# Altium PCB DM3370.PcbDoc (part 8 of 9) (continued)
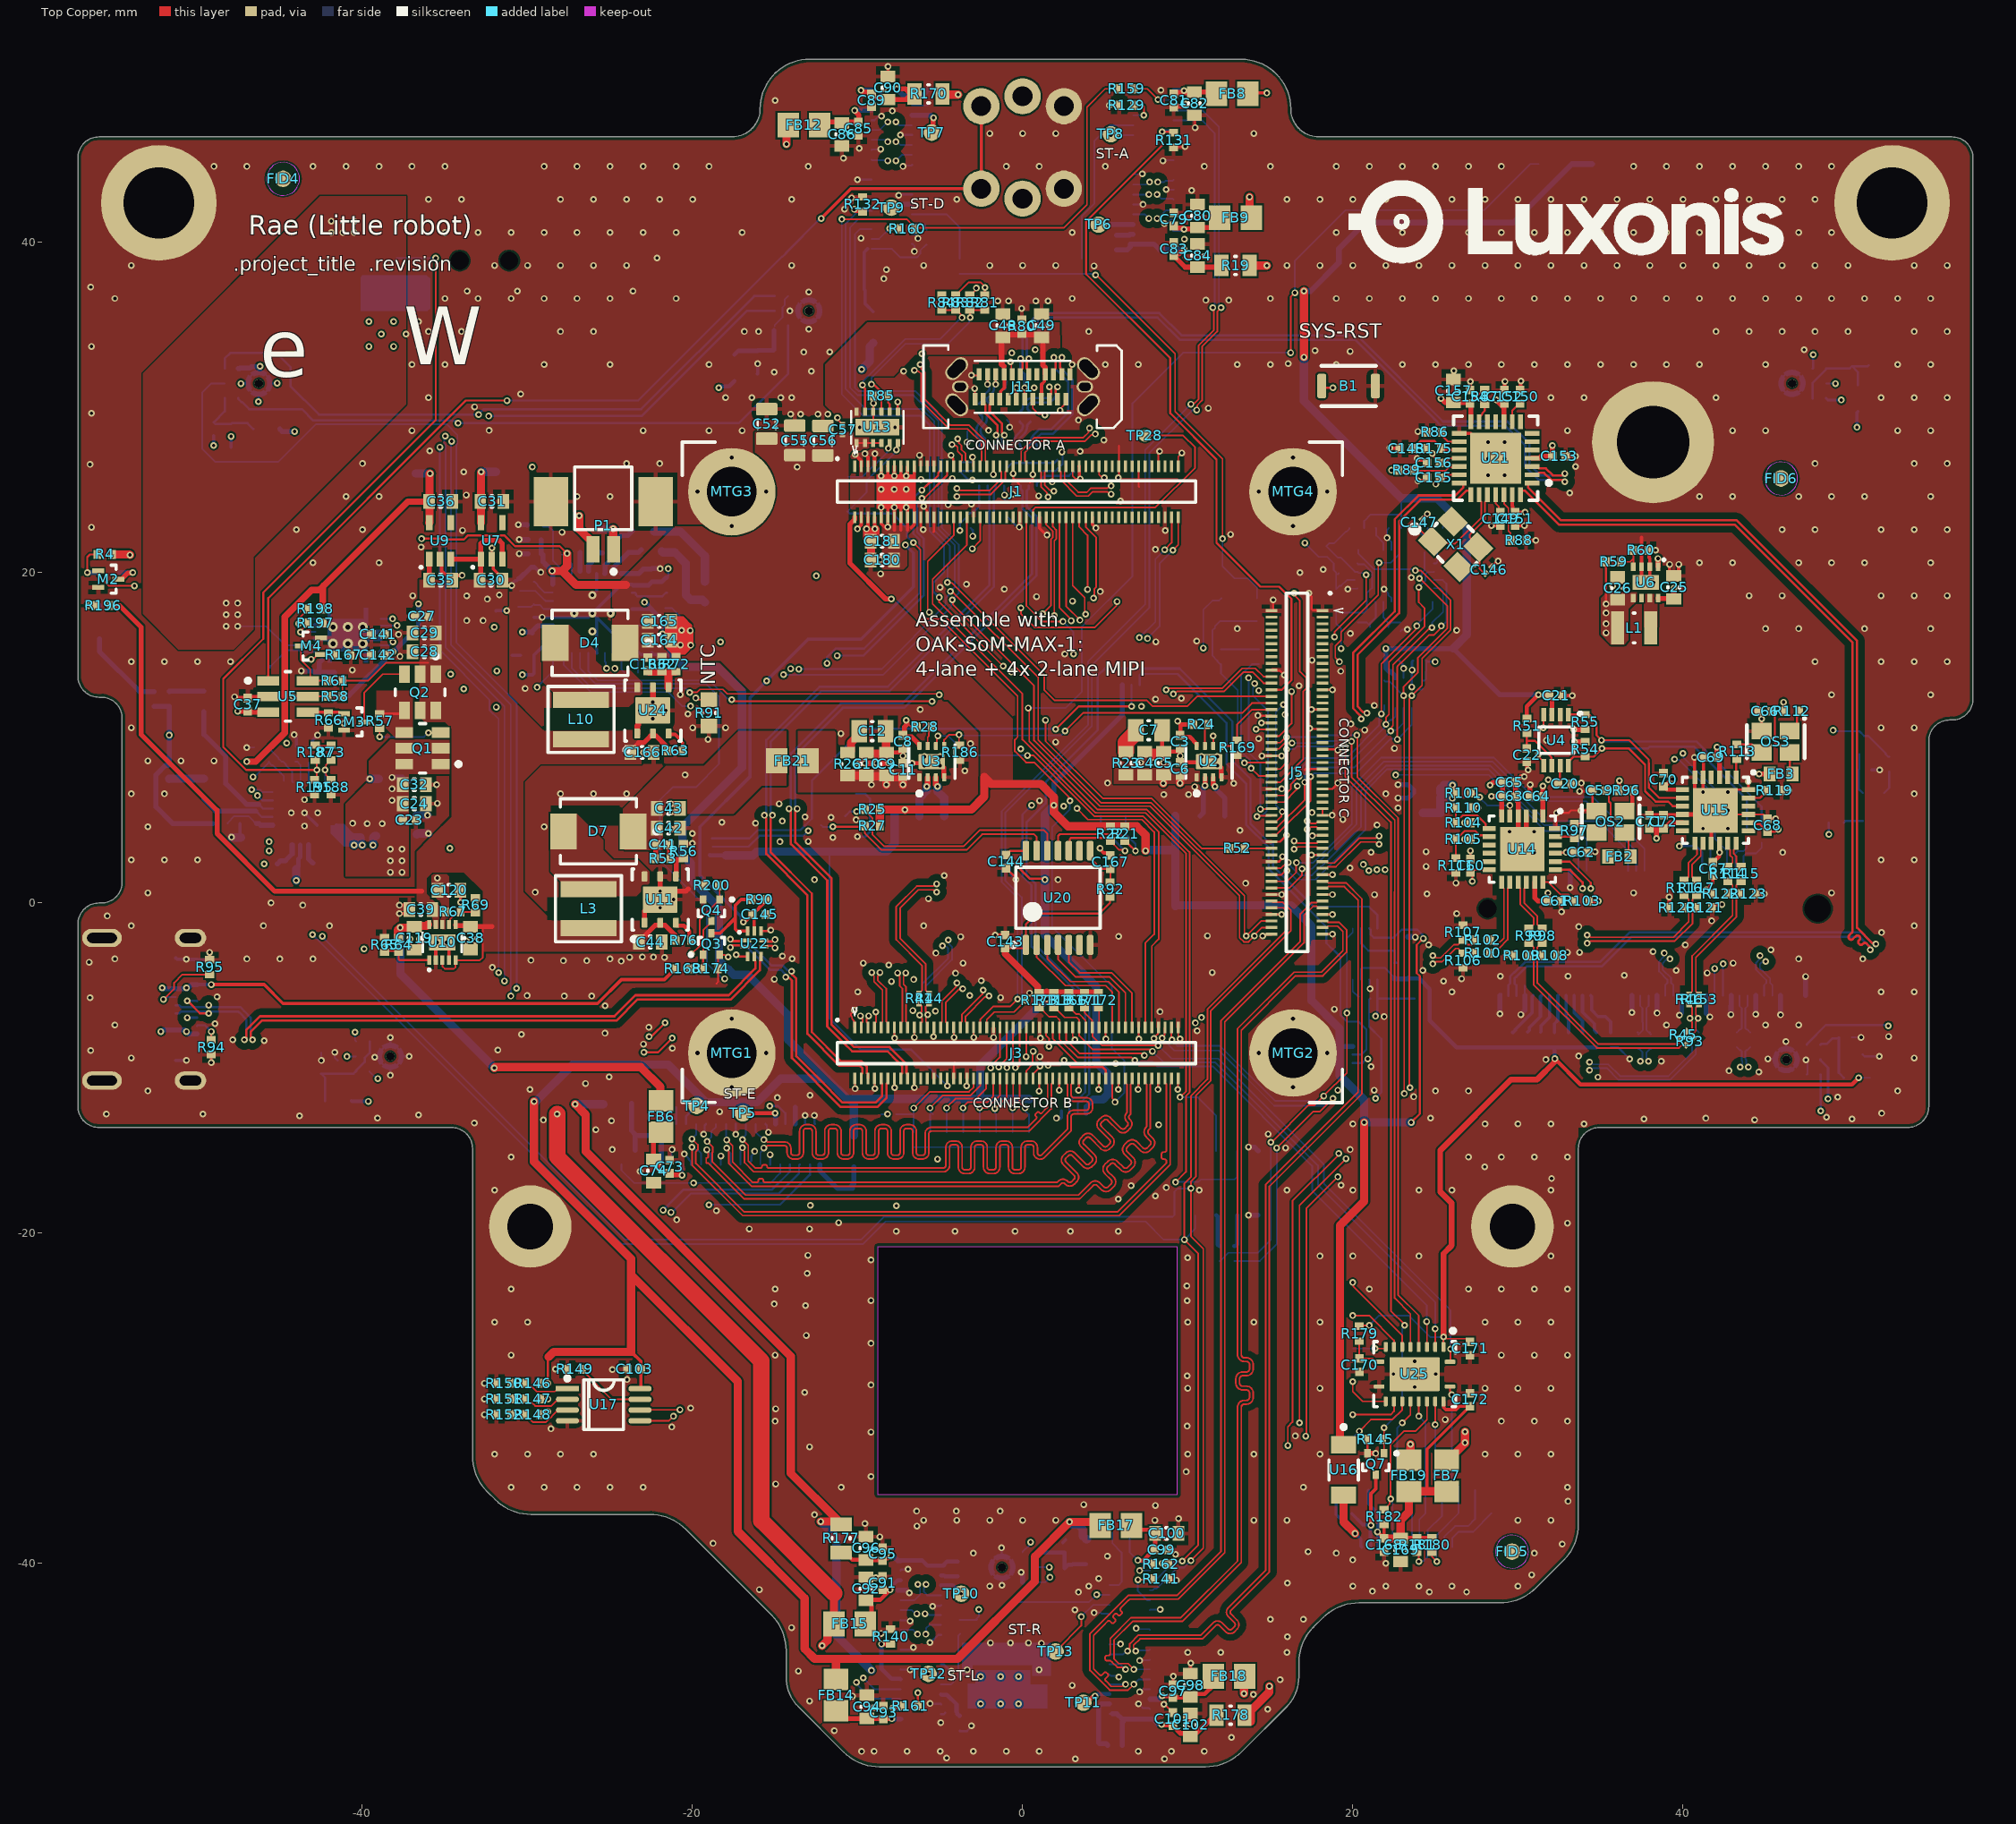
[diagram p0: Top Copper view]
## Nets (pads, with @x,y where several pads share a name; then routed paths per layer and width w, separated by ;. In a path a pad name is that pad's centre, name@x,y a point inside that pad or via, vN(x,y) a via of type N, cw(c..) or ccw(c..) an arc to the next point about the centre after c; other vN are vias at no path point) (continued)
WIFI_WKUP: J9.21 R35.1 | length 2.6
  Bottom Copper w0.2: J9.21@33.925,-5.625 33.925,-6.613 34.637,-7.325 34.637,-7.725 34.762,-7.85 R35.1@34.775,-7.85
WS2812_DI: J3.97 R1.2 U23.5 | length 36.4
  Top Copper w0.102: J3.97@9.032,-7.561 9.016,-7.577 9.016,-8.263 v1(9.048,-8.295) ; v1(15.046,-14.498) 15.092,-14.498 17.331,-12.259 17.691,-12.259 v1(18.25,-11.7) 18.25,-11.697 19.65,-10.296 v1(19.65,-6.68)
  Bottom Copper w0.102: v1(9.048,-8.295) 9.048,-8.344 9.367,-8.662 11.962,-8.662 15.292,-11.992 17.958,-11.992 v1(18.25,-11.7) ; R1.2@11.925,-21.7 11.975,-21.7 12.475,-21.2 14.246,-21.2 15.044,-20.402 15.044,-14.5 v1(15.046,-14.498) ; v1(19.65,-6.68) 19.65,-2.15 19.901,-1.899 20,-1.8 U23.5@20,-1.55
WS2812_DI_5V: J6.4 U23.8 | length 58.1
  Bottom Copper w0.127: 0.25,2.7 0.25,1.694 0.793,1.151 0.793,-2.57 4.041,-5.818 4.041,-11.572 3.574,-12.039 3.461,-12.039 3.35,-12.15 J6.4@3.35,-12.75 ; 9.512,14.188 12.714,10.986 12.714,8.598 13.809,7.503 13.809,4.789 15.044,3.553 15.184,3.553 15.184,2.208 17.626,-0.234 20.98,-0.234 21.5,-0.753 U23.8@21.5,-1.55
  Bottom Copper w0.14: 0.25,2.7 0.25,4.882 1.398,6.03 1.398,7.302 4.55,10.454 4.55,13.75 4.988,14.188 9.512,14.188
WS2812_DO1: J6.5 J19.4 | length 41.5
  PWR w0.127: v1(-12.98,4.356) -11.298,6.037 0.337,6.037 0.474,5.9 v1(0.55,5.9)
  Bottom Copper w0.127: J19.4@-18.75,3.4 -16.598,3.4 -15.93,4.068 -13.268,4.068 v1(-12.98,4.356) ; v1(0.55,5.9) -0.001,5.349 -0.001,1.601 0.55,1.05 0.55,-2.65 3.798,-5.898 3.798,-11.473 3.474,-11.797 3.103,-11.797 2.85,-12.05 J6.5@2.85,-12.75
WS2812_DO2: J19.5 J20.4 | length 31.4
  Top Copper w0.127: v1(2.01,10.51) 3.4,11.9 v1(6.6,11.9)
  Bottom Copper w0.127: J19.5@-18.806,3.9 -16.55,3.9 -16.05,4.4 -13.457,4.4 -12.765,5.092 -12.765,6.768 -12.755,6.778 -12.755,7.404 -9.609,10.55 1.97,10.55 v1(2.01,10.51) ; v1(6.6,11.9) J20.4@6.6,13.2
WS2812_DO3: J20.5 J21.4 | length 31.8
  Bottom Copper w0.127: J20.5@7.1,13.2 7.1,13.788 7.174,13.862 9.388,13.862 12.363,10.887 12.363,8.403 13.542,7.223 13.542,4.732 14.915,3.359 14.915,2.041 18.406,-1.449 18.406,-2.447 18.759,-2.8 18.8,-2.8 19.261,-3.261 19.261,-6.811 19.65,-7.2 20.35,-7.2 20.825,-7.675 20.825,-8.888 20.516,-9.197 20.003,-9.197 J21.4@20,-9.2
WS2812_DO4: J3.95 R2.2 R158.2 | length 35.5
  Top Copper w0.102: v1(8.45,-8.2) 8.45,-8.145 8.607,-7.988 8.607,-7.586 J3.95@8.632,-7.561 ; v1(15.4,-14.844) 17.591,-12.654 17.991,-12.654 v1(18.8,-11.844)
  PWR w0.127: v1(18.8,-11.844) v1(21.381,-11.844)
  Bottom Copper w0.102: v1(8.45,-8.2) 9.194,-8.944 11.894,-8.944 15.245,-12.295 18.349,-12.295 v1(18.8,-11.844) ; R2.2@12.825,-21.7 14.376,-21.7 15.4,-20.676 v1(15.4,-14.844)
  Bottom Copper w0.127: R158.2@21.05,-5.8 20.994,-5.856 20.994,-7.494 21.741,-8.241 21.741,-11.484 v1(21.381,-11.844)
WS2812_DO4_5V: J21.5 TP26.1 U23.1 | length 8.3
  PWR w0.127: v1(20.913,-9.45) 21.381,-8.982 v1(21.381,-6.868)
  Bottom Copper w0.127: J21.5@20,-9.7 20.003,-9.697 20.603,-9.697 20.85,-9.45 v1(20.913,-9.45) ; v1(21.381,-6.868) 21.381,-6.793 21.5,-6.674 21.5,-5.8 ; U23.1@21.5,-4.65 21.5,-5.8 ; TP26.1@23.75,-5.8 21.5,-5.8
XIN: C179.2 U26.27 Y1.1 | length 2.5
  Bottom Copper w0.102: C179.2@20.3,16.98 20.851,16.98 Y1.1@21.05,16.781 ; Y1.1@21.05,16.7 Y1.1@21.05,16.781 ; U26.27@21.35,18.238 21.401,18.187 21.401,17.301 21.05,16.95 Y1.1@21.05,16.781
XOUT: C178.2 U26.26 Y1.2 | length 2.4
  Bottom Copper w0.102: U26.26@21.85,18.238 21.85,17.3 21.951,17.199 21.951,17.149 Y1.2@22.201,16.899 ; Y1.2@22.15,16.7 22.15,16.781 22.349,16.98 C178.2@22.9,16.98
XTALIN: C146.1 U21.24 X1.3 | length 5.5
  Top Copper w0.102: X1.3@27.084,21.573 27.186,21.675 27.186,22.027 27.084,22.129 27.084,22.28 27.152,22.348 27.65,22.846 ; X1.3@27.614,21.538 27.685,21.467 27.685,20.237 C146.1@28.024,19.897 ; 27.648,22.848 28.016,23.216 28.016,24.271 28.162,24.417 U21.24@28.162,24.717
XTALOUT: C147.1 U21.23 X1.1 | length 6.8
  Top Copper w0.102: C147.1@23.824,22.839 24.772,21.891 X1.1@24.856,21.891 X1.1@25.608,21.891 ; X1.1@25.281,21.75 25.351,21.821 25.704,21.821 25.774,21.75 26.2,21.75 27.797,23.347 27.797,24.282 27.662,24.417 U21.23@27.662,24.717
pads on no net: B2.5 B2.6 FID1.1 FID2.1 FID3.1 FID4.1 FID5.1 FID6.1 J1.28 J1.30 J1.34 J1.76 J1.78 J1.80 J1.82 J1.84 J1.86 J1.88 J1.90 J1.92 J1.94 J2.MH1 J2.MH2 J3.22 J3.24 J3.28 J3.34 J4.1 J4.3 J5.3 J5.4 J5.5 J5.6 J5.7 J5.8 J5.9 J5.10 J5.11 J5.12 J5.13 J5.14 J5.15 J5.16 J5.17 J5.18 J5.19 J5.21 J5.23 J6.1 J6.2 J9.0 J9.6 J9.8 J9.10 J9.12 J9.14 J9.16 J9.24 J9.25 J9.26 J9.27 J9.28 J9.29 J9.30 J9.31 J9.38 J9.40 J9.42 J9.44 J9.46 J9.48 J9.54 J9.62 J9.64 J9.66 J9.68 J9.70 J9.71 J9.73 J11.A8 J11.B8 J12.A2 J12.A3 J12.A8 J12.A10 J12.A11 J12.B2 J12.B3 J12.B8 J12.B10 J12.B11 J13.0 J14.0 J14.13 J14.14 J14.16 J14.17 J15.0 J15.13 J15.14 J15.16 J15.17 J16.0 J16.13 J16.14 J16.16 J16.17 J17.0 J17.13 J17.14 J17.16 J17.17 J18.1 J18.10 J19.1 J19.2 J20.1 J20.2 J21.1 J21.2 MIC1. MIC2. MIC3. MIC4. MIC5. MIC6. U1.2 U1.3 U1.10 U1.11 U6.6 U7.4 U9.4 U14.2 U14.9 U14.10 U14.11 U14.22 U15.2 U15.4 U15.12 U15.19 U15.22 U19.27 U19.29 U20.6 U20.9 U21.5 U21.6 U21.7 U21.8 U21.11 U21.12 U26.1 U26.7 U26.8 U26.12 U26.13 U26.21 U26.22 U26.23 U26.24 X1.2 X1.4

## Polygon pours and split planes (outlines as drawn)
GND on Top Copper "NONET_L-01_P-001" (solid, remove dead copper, pour order 107): -32.427,-35.673 cw(c-30.259,-33.505) -33.325,-33.505 -33.315,-33.505 -33.315,-14.879 -33.325,-14.879 ccw(c-34.595,-14.879) -34.595,-13.609 -55.955,-13.609 cw(c-55.955,-12.339) -57.225,-12.339 -57.225,-1.284 cw(c-55.955,-1.284) -55.955,-0.014 -55.82,-0.014 ccw(c-55.82,1.256) -54.55,1.256 -54.55,11.18 ccw(c-55.82,11.18) -55.82,12.45 -55.955,12.45 cw(c-55.955,13.72) -57.225,13.72 -57.225,45.121 cw(c-55.955,45.121) -55.955,46.391 -21.325,46.391 -17.6,46.391 ccw(c-17.6,48.091) -15.9,48.091 cw(c-12.9,48.091) -12.9,51.091 13.25,51.091 cw(c13.25,48.091) 16.25,48.091 ccw(c17.95,48.091) 17.95,46.391 21.675,46.391 56.305,46.391 cw(c56.305,45.121) 57.575,45.121 57.575,12.34 cw(c56.305,12.34) 56.305,11.07 56.17,11.07 ccw(c56.17,9.8) 54.9,9.8 54.9,-12.339 cw(c53.63,-12.339) 53.63,-13.609 33.675,-13.609 33.675,-37.655 cw(c30.609,-37.655) 32.777,-39.823 31.098,-41.502 cw(c28.93,-39.334) 28.93,-42.4 20.37,-42.4 ccw(c20.37,-45.466) 18.202,-43.298 17.638,-43.862 ccw(c19.806,-46.03) 16.74,-46.03 16.74,-46.895 cw(c14.17,-46.895) 15.987,-48.713 13.301,-51.399 13.263,-51.437 cw(c11.095,-49.269) 11.095,-52.335 -8.68,-52.335 cw(c-8.68,-49.269) -10.848,-51.437 -10.886,-51.399 -13.572,-48.713 cw(c-11.755,-46.895) -14.325,-46.895 -14.325,-45.295 ccw(c-17.391,-45.295) -15.223,-43.127 -20.402,-37.948 ccw(c-22.57,-40.116) -22.57,-37.05 -29.78,-37.05 cw(c-29.78,-33.984) -31.948,-36.152
BB_SYS on Top Copper "BB_SYS_L01_P065" (solid, pour order 65): -8.5,20.2 -7.2,20.2 -7,20.4 -7,22.322 -6.472,22.85 -8.5,22.85
BB_SYS on Top Copper "¸" (solid, pour order 72): -35.35,-1.55 -35.35,-0.2 -36.1,0.55 -36.1,1.5 -35.75,1.85 -33.85,1.85 -32.7,0.7 -32.7,-2.95 -22.65,-2.95 -22.65,-1.1 -28.5,-1.1 -30.25,0.65 -30.25,7.35 -29.2,8.4 -23.1,8.4 -23.1,10.45 -29.05,10.45 -31.2,12.6 -31.2,19.563 -36.55,19.563 -36.55,11.3 -36.2,10.95 -35,10.95 -34.6,10.55 -34.6,5.2 -36.7,3.1 -36.7,0.1 -35.75,-0.85 -35.75,-1.55
5V0 on Top Copper "NONET_L-01_P-001" (solid, pour order 74): -24.85,14.65 -24.85,19 -21.05,22.8 -17.25,22.8 -16.2,23.85 -16.2,28.5 -9.3,28.5 -9.3,27.2 -10.55,27.2 -10.55,21.1 -0.6,11.15 -0.6,7.1 -2.55,7.1 -2.55,10.35 -4.5,12.3 -15.95,12.3 -18.3,14.65
NetD4_2 on Top Copper "NONET_L-01_P-001" (solid, pour order 86): -23.05,12.66 -23.85,11.86 -27.55,11.86 -29.05,13.36 -29.05,16.86 -27.45,16.86 -25.85,15.26 -25.85,14.66 -25.25,14.06 -23.75,14.06 -23.05,13.36
NetJ2_1 on Top Copper "NONET_L-01_P-001" (solid, pour order 78): -37.35,42.8 -42.55,42.8 -53.3,32.05 -53.3,17.5 -51.15,15.35 -47.8,15.35 -46.6,16.55 -46.6,20.95 -37.35,30.2
NetQ1_4 on Top Copper "NONET_L-01_P-001" (solid, pour order 103): -39.15,12.85 -39.15,11.15 -38,10 -36.95,10 -36.95,12.85
3V3 on Top Copper "NONET_L-01_P-001" (solid, pour order 92): 35.4,18.8 35.05,18.45 35.05,16.25 35.65,15.65 36.45,15.65 36.7,15.9 36.7,17.8 37.2,18.3 37.2,18.8
NetD7_2 on Top Copper "NONET_L-01_P-001" (solid, pour order 84): -22.6,1.2 -23.4,0.4 -27.1,0.4 -28.6,1.9 -28.6,5.4 -27,5.4 -25.4,3.8 -25.4,3.2 -24.8,2.6 -23.3,2.6 -22.6,1.9
BMC_SYS on Top Copper "NONET_L-01_P-001" (solid, pour order 83): -38.3,9.9 -39.6,8.6 -39.6,7.4 -41,6 -41,1.6 -37.2,1.6 -37.2,7.8 -34.5,7.8 -34.5,9.9
11VM on Top Copper "NONET_L-01_P-001" (solid, pour order 82): -13.6,10.4 -13.6,6.7 -6.1,6.7 -6.1,8.1 -11.3,8.1 -11.3,10.4
11V on Top Copper "NONET_L-01_P-001" (solid, pour order 81): -21.8,3.2 -24.1,3.2 -24.2,3.3 -24.2,5.7 -21.6,8.3 -19.3,8.3 -17.2,10.4 -14.3,10.4 -14.3,7.1 -15.8,7.1 -17.5,5.4 -21.6,5.4 -21.8,5.2
1V2 on Top Copper "NONET_L-01_P-001" (solid, pour order 77): -35.05,1.9 -35.55,1.9 -35.8,1.65 -35.8,0.55 -35.2,-0.05 -35.2,-0.95 -35.3,-1.05 -35.3,-1.55 -35.25,-1.6 -34.95,-1.6 -34.95,-1.05 -34.75,-0.85 -34.75,1.6
D_VBUS on Top Copper "NONET_L-01_P-001" (solid, pour order 76): 2.238,35.15 -9.4,35.15 -11.95,32.6 -11.95,30.15 -11.15,29.35 -9.75,29.35 -9.75,31.55 -9.4,31.9 -7.8,31.9 -6.5,33.2 2.296,33.2
11VM on Top Copper "NONET_L-01_P-001" (solid, pour order 69): 5.522,7.22 10.722,7.22 10.722,8.151 5.522,8.151
NetL1_1 on Top Copper "¸" (solid, pour order 68): 37.65,18.7 37.65,17.65 37.65,16.7 38.45,16.7 38.45,18.7 38.15,18.7
GND on Bottom Copper "NONET_L-01_P-001" (solid, remove dead copper, pour order 100): -32.427,-35.673 cw(c-30.259,-33.505) -33.325,-33.505 -33.315,-33.505 -33.315,-14.879 -33.325,-14.879 ccw(c-34.595,-14.879) -34.595,-13.609 -55.955,-13.609 cw(c-55.955,-12.339) -57.225,-12.339 -57.225,-1.284 cw(c-55.955,-1.284) -55.955,-0.014 -55.82,-0.014 ccw(c-55.82,1.256) -54.55,1.256 -54.55,11.18 ccw(c-55.82,11.18) -55.82,12.45 -55.955,12.45 cw(c-55.955,13.72) -57.225,13.72 -57.225,45.121 cw(c-55.955,45.121) -55.955,46.391 -21.325,46.391 -17.6,46.391 ccw(c-17.6,48.091) -15.9,48.091 cw(c-12.9,48.091) -12.9,51.091 13.25,51.091 cw(c13.25,48.091) 16.25,48.091 ccw(c17.95,48.091) 17.95,46.391 21.675,46.391 56.305,46.391 cw(c56.305,45.121) 57.575,45.121 57.575,12.34 cw(c56.305,12.34) 56.305,11.07 56.17,11.07 ccw(c56.17,9.8) 54.9,9.8 54.9,-12.339 cw(c53.63,-12.339) 53.63,-13.609 33.675,-13.609 33.675,-37.655 cw(c30.609,-37.655) 32.777,-39.823 31.098,-41.502 cw(c28.93,-39.334) 28.93,-42.4 20.37,-42.4 ccw(c20.37,-45.466) 18.202,-43.298 17.638,-43.862 ccw(c19.806,-46.03) 16.74,-46.03 16.74,-46.895 cw(c14.17,-46.895) 15.987,-48.713 13.301,-51.399 13.263,-51.437 cw(c11.095,-49.269) 11.095,-52.335 -8.68,-52.335 cw(c-8.68,-49.269) -10.848,-51.437 -10.886,-51.399 -13.572,-48.713 cw(c-11.755,-46.895) -14.325,-46.895 -14.325,-45.295 ccw(c-17.391,-45.295) -15.223,-43.127 -20.402,-37.948 ccw(c-22.57,-40.116) -22.57,-37.05 -29.78,-37.05 cw(c-29.78,-33.984) -31.948,-36.152
VBAT on Bottom Copper "NONET_L-01_P-001" (solid, pour order 73): -42.25,6 -42.25,9.1 -43.3,10.15 -46.45,10.15 -47.8,11.5 -47.8,14.1 -46.9,15 -45.25,15 -43.6,13.35 -41.4,13.35 -39.4,11.35 -39.4,7.05 -40.45,6
P_VBUS on Bottom Copper "NONET_L-01_P-001" (solid, remove dead copper, pour order 14): -50.984,-8.5 -52.85,-8.5 -54.35,-7 -54.35,-3.65 -54.35,-2.6 -47.4,4.35 -44.5,4.35 -44.5,2.4 -48.5,-1.6 -50.984,-4.084
NetJ2_1 on Bottom Copper "NONET_L-01_P-001" (solid, pour order 79): -44.85,20.9 -50.3,26.35 -50.3,32.2 -43.4,39.1 -36.9,39.1 -36.9,42.65 -48.3,42.65 -55.275,35.675 -55.275,22.725 -48.45,15.9 -45.05,15.9 -44.85,16.1
NetC118_2 on Bottom Copper "NONET_L-01_P-001" (solid, pour order 88): -43,3.95 -43,-0.1 -42.1,-1 -41.1,-1 -41.1,3.15 -41.9,3.95
BMC_SYS on Bottom Copper "NONET_L-01_P-001" (solid, pour order 85): -39.7,-1 -37.7,-1 -36.8,-0.1 -36.8,6.8 -37.9,7.9 -39.3,7.9 -39.3,7 -40.3,6 -42.1,6 -42.1,4.9 -41,4.9 -40.6,4.5 -38.8,4.5 -38.7,4.4 -38.7,3.5 -39.7,2.5 -39.7,2.3
3V3_WIFI on Bottom Copper "3V3_WIFI_L06_P070" (solid, pour order 70): 46.525,0.85 45.475,-0.2 31.275,-0.2 30.075,1 30.075,2.55 30.075,4.25 25.275,4.25 25.275,0.75 27.525,-1.5 47.275,-1.5 47.725,-1.05 47.725,3.7 47.325,4.1 46.725,4.1 46.525,3.9
GND on PWR "NONET_L-01_P-001" (solid, remove dead copper, pour order 102): -32.427,-35.673 cw(c-30.259,-33.505) -33.325,-33.505 -33.315,-33.505 -33.315,-14.879 -33.325,-14.879 ccw(c-34.595,-14.879) -34.595,-13.609 -55.955,-13.609 cw(c-55.955,-12.339) -57.225,-12.339 -57.225,-1.284 cw(c-55.955,-1.284) -55.955,-0.014 -55.82,-0.014 ccw(c-55.82,1.256) -54.55,1.256 -54.55,11.18 ccw(c-55.82,11.18) -55.82,12.45 -55.955,12.45 cw(c-55.955,13.72) -57.225,13.72 -57.225,45.121 cw(c-55.955,45.121) -55.955,46.391 -21.325,46.391 -17.6,46.391 ccw(c-17.6,48.091) -15.9,48.091 cw(c-12.9,48.091) -12.9,51.091 13.25,51.091 cw(c13.25,48.091) 16.25,48.091 ccw(c17.95,48.091) 17.95,46.391 21.675,46.391 56.305,46.391 cw(c56.305,45.121) 57.575,45.121 57.575,12.34 cw(c56.305,12.34) 56.305,11.07 56.17,11.07 ccw(c56.17,9.8) 54.9,9.8 54.9,-12.339 cw(c53.63,-12.339) 53.63,-13.609 33.675,-13.609 33.675,-37.655 cw(c30.609,-37.655) 32.777,-39.823 31.098,-41.502 cw(c28.93,-39.334) 28.93,-42.4 20.37,-42.4 ccw(c20.37,-45.466) 18.202,-43.298 17.638,-43.862 ccw(c19.806,-46.03) 16.74,-46.03 16.74,-46.895 cw(c14.17,-46.895) 15.987,-48.713 13.301,-51.399 13.263,-51.437 cw(c11.095,-49.269) 11.095,-52.335 -8.68,-52.335 cw(c-8.68,-49.269) -10.848,-51.437 -10.886,-51.399 -13.572,-48.713 cw(c-11.755,-46.895) -14.325,-46.895 -14.325,-45.295 ccw(c-17.391,-45.295) -15.223,-43.127 -20.402,-37.948 ccw(c-22.57,-40.116) -22.57,-37.05 -29.78,-37.05 cw(c-29.78,-33.984) -31.948,-36.152
BB_SYS on PWR "NONET_L-01_P-001" (solid, pour order 75): -34.2,16.85 -25.223,16.85 -23.223,18.85 1.1,18.85 1.85,19.6 34.2,19.6 35.2,18.6 39.8,18.6 40.45,19.25 40.45,21.1 40.05,21.5 -2.35,21.5 -11.3,30.45 -25.491,30.45 -34.85,21.091 -34.85,17.5
11VM on PWR "NONET_L-01_P-001" (solid, pour order 90): -9.7,7.1 -9.2,6.6 10.2,6.6 10.6,7 10.6,8.6 9.9,9.3 -8.4,9.3 -9.7,8
GND on Signal Layer 1 "NONET_L-01_P-001" (solid, remove dead copper, pour order 106): -32.427,-35.673 cw(c-30.259,-33.505) -33.325,-33.505 -33.315,-33.505 -33.315,-14.879 -33.325,-14.879 ccw(c-34.595,-14.879) -34.595,-13.609 -55.955,-13.609 cw(c-55.955,-12.339) -57.225,-12.339 -57.225,-1.284 cw(c-55.955,-1.284) -55.955,-0.014 -55.82,-0.014 ccw(c-55.82,1.256) -54.55,1.256 -54.55,11.18 ccw(c-55.82,11.18) -55.82,12.45 -55.955,12.45 cw(c-55.955,13.72) -57.225,13.72 -57.225,45.121 cw(c-55.955,45.121) -55.955,46.391 -21.325,46.391 -17.6,46.391 ccw(c-17.6,48.091) -15.9,48.091 cw(c-12.9,48.091) -12.9,51.091 13.25,51.091 cw(c13.25,48.091) 16.25,48.091 ccw(c17.95,48.091) 17.95,46.391 21.675,46.391 56.305,46.391 cw(c56.305,45.121) 57.575,45.121 57.575,12.34 cw(c56.305,12.34) 56.305,11.07 56.17,11.07 ccw(c56.17,9.8) 54.9,9.8 54.9,-12.339 cw(c53.63,-12.339) 53.63,-13.609 33.675,-13.609 33.675,-37.655 cw(c30.609,-37.655) 32.777,-39.823 31.098,-41.502 cw(c28.93,-39.334) 28.93,-42.4 20.37,-42.4 ccw(c20.37,-45.466) 18.202,-43.298 17.638,-43.862 ccw(c19.806,-46.03) 16.74,-46.03 16.74,-46.895 cw(c14.17,-46.895) 15.987,-48.713 13.301,-51.399 13.263,-51.437 cw(c11.095,-49.269) 11.095,-52.335 -8.68,-52.335 cw(c-8.68,-49.269) -10.848,-51.437 -10.886,-51.399 -13.572,-48.713 cw(c-11.755,-46.895) -14.325,-46.895 -14.325,-45.295 ccw(c-17.391,-45.295) -15.223,-43.127 -20.402,-37.948 ccw(c-22.57,-40.116) -22.57,-37.05 -29.78,-37.05 cw(c-29.78,-33.984) -31.948,-36.152
5V0 on Signal Layer 1 "¸" (solid, pour order 89): -6.625,26.626 -7.568,27.489 -26.811,27.489 -33.9,20.4 -33.9,16.9 -33.35,16.35 -13.05,16.35 -6.65,22.75
3V3 on Signal Layer 1 "NONET_L-01_P-001" (solid, remove dead copper, pour order 105): 28.35,-0.2 35.15,-0.2 37.3,1.95 44.65,1.95 49.45,6.75 49.45,11.2 44.65,16 29.1,31.55 -3.908,31.55 -3.908,22.904 -7.35,22.892 -7.35,21.45 20.6,21.45 22.9,19.15 22.9,5.25
P_VBUS on Signal Layer 1 "NONET_L-01_P-001" (solid, remove dead copper, pour order 101): -50.984,-8.5 -52.85,-8.5 -54.35,-7 -54.35,-3.65 -54.35,-2.6 -47.4,4.35 -45.3,4.35 -45.3,1.6 -48.5,-1.6 -50.984,-4.084
P_VBUS on Signal Layer 1 "NONET_L-01_P-001" (solid, pour order 56): -0.3,-50.7 0.45,-49.95 0.45,-46.4 -0.45,-45.5 -7.45,-45.5 -15.35,-37.6 -15.35,-21.7 -32.75,-4.3 -52.15,-4.3 -52.6,-4.75 -52.6,-8.2 -49.1,-11.7 -33.65,-11.7 -29.6,-15.75 -29.6,-27.45 -13.582,-43.468 -13.582,-46.534 -9.416,-50.7
GND on GND 2 "NONET_L-01_P-001" (solid, remove dead copper, pour order 98): -32.427,-35.673 cw(c-30.259,-33.505) -33.325,-33.505 -33.315,-33.505 -33.315,-14.879 -33.325,-14.879 ccw(c-34.595,-14.879) -34.595,-13.609 -55.955,-13.609 cw(c-55.955,-12.339) -57.225,-12.339 -57.225,-1.284 cw(c-55.955,-1.284) -55.955,-0.014 -55.82,-0.014 ccw(c-55.82,1.256) -54.55,1.256 -54.55,11.18 ccw(c-55.82,11.18) -55.82,12.45 -55.955,12.45 cw(c-55.955,13.72) -57.225,13.72 -57.225,45.121 cw(c-55.955,45.121) -55.955,46.391 -21.325,46.391 -17.6,46.391 ccw(c-17.6,48.091) -15.9,48.091 cw(c-12.9,48.091) -12.9,51.091 13.25,51.091 cw(c13.25,48.091) 16.25,48.091 ccw(c17.95,48.091) 17.95,46.391 21.675,46.391 56.305,46.391 cw(c56.305,45.121) 57.575,45.121 57.575,12.34 cw(c56.305,12.34) 56.305,11.07 56.17,11.07 ccw(c56.17,9.8) 54.9,9.8 54.9,-12.339 cw(c53.63,-12.339) 53.63,-13.609 33.675,-13.609 33.675,-37.655 cw(c30.609,-37.655) 32.777,-39.823 31.098,-41.502 cw(c28.93,-39.334) 28.93,-42.4 20.37,-42.4 ccw(c20.37,-45.466) 18.202,-43.298 17.638,-43.862 ccw(c19.806,-46.03) 16.74,-46.03 16.74,-46.895 cw(c14.17,-46.895) 15.987,-48.713 13.301,-51.399 13.263,-51.437 cw(c11.095,-49.269) 11.095,-52.335 -8.68,-52.335 cw(c-8.68,-49.269) -10.848,-51.437 -10.886,-51.399 -13.572,-48.713 cw(c-11.755,-46.895) -14.325,-46.895 -14.325,-45.295 ccw(c-17.391,-45.295) -15.223,-43.127 -20.402,-37.948 ccw(c-22.57,-40.116) -22.57,-37.05 -29.78,-37.05 cw(c-29.78,-33.984) -31.948,-36.152
GND on GND 1 "NONET_L-01_P-001" (solid, remove dead copper, pour order 99): -32.427,-35.673 cw(c-30.259,-33.505) -33.325,-33.505 -33.315,-33.505 -33.315,-14.879 -33.325,-14.879 ccw(c-34.595,-14.879) -34.595,-13.609 -55.955,-13.609 cw(c-55.955,-12.339) -57.225,-12.339 -57.225,-1.284 cw(c-55.955,-1.284) -55.955,-0.014 -55.82,-0.014 ccw(c-55.82,1.256) -54.55,1.256 -54.55,11.18 ccw(c-55.82,11.18) -55.82,12.45 -55.955,12.45 cw(c-55.955,13.72) -57.225,13.72 -57.225,45.121 cw(c-55.955,45.121) -55.955,46.391 -21.325,46.391 -17.6,46.391 ccw(c-17.6,48.091) -15.9,48.091 cw(c-12.9,48.091) -12.9,51.091 13.25,51.091 cw(c13.25,48.091) 16.25,48.091 ccw(c17.95,48.091) 17.95,46.391 21.675,46.391 56.305,46.391 cw(c56.305,45.121) 57.575,45.121 57.575,12.34 cw(c56.305,12.34) 56.305,11.07 56.17,11.07 ccw(c56.17,9.8) 54.9,9.8 54.9,-12.339 cw(c53.63,-12.339) 53.63,-13.609 33.675,-13.609 33.675,-37.655 cw(c30.609,-37.655) 32.777,-39.823 31.098,-41.502 cw(c28.93,-39.334) 28.93,-42.4 20.37,-42.4 ccw(c20.37,-45.466) 18.202,-43.298 17.638,-43.862 ccw(c19.806,-46.03) 16.74,-46.03 16.74,-46.895 cw(c14.17,-46.895) 15.987,-48.713 13.301,-51.399 13.263,-51.437 cw(c11.095,-49.269) 11.095,-52.335 -8.68,-52.335 cw(c-8.68,-49.269) -10.848,-51.437 -10.886,-51.399 -13.572,-48.713 cw(c-11.755,-46.895) -14.325,-46.895 -14.325,-45.295 ccw(c-17.391,-45.295) -15.223,-43.127 -20.402,-37.948 ccw(c-22.57,-40.116) -22.57,-37.05 -29.78,-37.05 cw(c-29.78,-33.984) -31.948,-36.152

## Other copper
Top Copper:
  region net GND: -20.6,17.25 -20.1,16.75 -20.1,16.55 -19.95,16.4 -19.95,15.55 -20.45,15.05 -21.2,15.05 -21.65,15.5 -21.65,17.25
  pour cut-out: -29,10.41 -29,11.81 -24.15,11.81 -24.15,10.41 -28.45,10.41
  pour cut-out: -29.1,16.825 -29.1,17.325 -25.1,17.325 -25.1,16.075 -26.7,16.075 -27.45,16.825
  pour cut-out: -28.6,5.4 -28.6,5.9 -24.4,5.9 -24.4,4.65 -26.2,4.65 -26.95,5.4
  region net BB_SYS: -8.85,23.868 -6.483,23.868 -6.483,25.95 -8.85,25.95
  pour cut-out: -28.8,-1.05 -28.8,0.35 -23.7,0.35 -23.7,-1.05 -28,-1.05
GND 1:
  pour cut-out: 1.916,26.796 2.966,26.796 2.966,26.096 1.916,26.096
  pour cut-out: 0.713,26.792 1.763,26.792 1.763,26.092 0.713,26.092
  pour cut-out: -0.484,26.796 0.566,26.796 0.566,26.096 -0.484,26.096
  pour cut-out: -1.687,26.793 -0.637,26.793 -0.637,26.093 -1.687,26.093
  pour cut-out: -2.884,26.796 -1.834,26.796 -1.834,26.096 -2.884,26.096
  pour cut-out: -4.084,26.796 -3.034,26.796 -3.034,26.096 -4.084,26.096
  pour cut-out: -4.075,-7.213 -3.025,-7.213 -3.025,-7.913 -4.075,-7.913
  pour cut-out: -5.275,-7.213 -4.225,-7.213 -4.225,-7.913 -5.275,-7.913
  pour cut-out: -6.475,-7.213 -5.425,-7.213 -5.425,-7.913 -6.475,-7.913
  pour cut-out: -7.675,-7.213 -6.625,-7.213 -6.625,-7.913 -7.675,-7.913
  pour cut-out: -8.884,-7.204 -7.834,-7.204 -7.834,-7.904 -8.884,-7.904
  pour cut-out: -10.084,-7.204 -9.034,-7.204 -9.034,-7.904 -10.084,-7.904
  pour cut-out: -10.084,-10.284 -9.034,-10.284 -9.034,-10.984 -10.084,-10.984
  pour cut-out: -8.884,-10.284 -7.834,-10.284 -7.834,-10.984 -8.884,-10.984
  pour cut-out: -7.68,-10.289 -6.63,-10.289 -6.63,-10.989 -7.68,-10.989
  pour cut-out: 8.316,-10.284 9.366,-10.284 9.366,-10.984 8.316,-10.984
  pour cut-out: 7.116,-10.284 8.166,-10.284 8.166,-10.984 7.116,-10.984
  pour cut-out: 5.916,-10.284 6.966,-10.284 6.966,-10.984 5.916,-10.984
  pour cut-out: 2.316,-10.284 3.366,-10.284 3.366,-10.984 2.316,-10.984
  pour cut-out: 1.1,-10.3 2.15,-10.3 2.15,-11 1.1,-11
Bottom Copper:
  pour cut-out: -14.45,6.15 -14.7,6.15 -14.95,6.4
  pour cut-out: -1.175,18.75 -1.325,18.9 -1.325,18.95 -1.425,18.95
  region net GND: -40,38 -36.1,38 -35.9,37.8 -35.9,36 -36.05,35.85 -40.1,35.85 -40.1,37.9
  region net GND: 0.6,-46.8 0.6,-46.15 -3.05,-46.15 -3.05,-46.8 -3.65,-46.8 -3.65,-44.821 1.7,-44.821 1.7,-46.8 1.55,-46.8
  region net P_VBUS: -3.3,-48.8 -3.3,-47.3 -2.85,-47.3 -2.85,-46.5 0.45,-46.5 0.45,-47.35 1.5,-47.35 1.5,-48.8 0.85,-48.8
  region net GND: -40.5,3.4 -41.107,3.4 -41.912,4.204 -41.912,4.7 -41.15,4.7 -40.5,4.05
  pour cut-out: -44.95,4.6 -44.45,4.6 -44.45,4.1 -44.95,4.1

## Silkscreen, mask and mechanical layers (free items; w line width, h text height)
Top Overlay:
  drawing of 10 lines, arcs and shapes, not listed
  text "ST-A" at 4.45,44.862 h1.1
  text "ST-D" at -6.8,41.812 h1.1
  text "Rae (Little robot)" at -46.882,40.059 h2
  text ".project_title  .revision" at -47.807,37.984 h1.5
  text "SYS-RST" at 16.75,33.917 h1.5
  text "W" at -37.497,31.45 h6
  text "e" at -46.217,30.709 h6
  text "Assemble with / OAK-SoM-MAX-1: / 4-lane + 4x 2-lane MIPI" at -6.48,13.434 h1.5
  text "NTC" at -18.317,13.2 h1.5 r90
  text "ST-E" at -18.1,-12.088 h1.1
  text "ST-R" at -0.873,-44.538 h1.1
  text "ST-L" at -4.55,-47.338 h1.1
Bottom Overlay:
  drawing of 10 lines, arcs and shapes, not listed
  text "BOOT" at 34.7,41.767 h1.5
  text "+" at -40.939,40.2 h3 r90
  text "NTC" at -41.3,38.072 h2
  text "PWR" at 1.35,37.95 h1.5
  text "CAMD-2L" at -11.25,37.717 h1.5
  text "CAMA-2L" at 16.85,37.717 h1.5
  text "-" at -41.552,37.621 h3 r180
  text "Rae (Little Robot)" at -26.475,29.862 h2
  text ".project_title  .revision" at -27.443,27.484 h1.5
  text "5V0" at -13.141,27.391 h1.1
  text "2V8" at -31.15,24.35 h1.1
  text "1V8" at -35.95,24.3 h1.1
  text "-" at -12.772,21.046 h3 r180
  text "BB-SYS" at -31.65,20.1 h1.1
  text "LED-2" at -49.3,19.65 h1.1
  text "+" at -12.522,18.63 h3 r180
  text "BB-SYS" at -49.3,17.65 h1.1
  text "3V3" at 33.8,16.662 h1.1
  text "BMC-SYS" at -49.3,15.65 h1.1
  text "LED3" at 2.9,14.417 h1.5
  text "STATUS" at -47.5,13.75 h1.1
  text "VBAT" at -44,11.25 h1.1
  text "PGOOD" at -47.5,8.3 h1.1
  text "11V" at -21.3,7.65 h1.1
  text "MOTOR-2" at -5.5,7.617 h1.5
  text "MOTOR-1" at 11.55,7.617 h1.5
  text "BMC-SYS" at -31.55,7.05 h1.1
  text "VBUS" at -48.451,1.411 h1
  text "LED2" at -17.75,-1.4 h1.5
  text "1V0" at -32.9,-10.3 h1.1
  text "CAME-4L" at -19.3,-10.683 h1.5
  text "LED1" at 5.15,-10.85 h1.5
  text "LED-1" at 30.95,-11.15 h1.1
  text "LED4" at 23.1,-13.05 h1.5
  text "1V2" at -29.027,-13.157 h1.1
  text "LED-2" at 31.1,-16.55 h1.1
  text "LCD" at 24.85,-34.483 h1.5
  text "CAMR-2L" at 14.722,-38.073 h1.5
  text "CAML-2L" at -8.65,-38.133 h1.5
Mechanical 1:
  lines w0.1: -55.82,12.45 cw(c-55.82,11.18) -54.55,11.18 ; -55.813,12.45 -55.955,12.45 cw(c-55.955,13.72) -57.225,13.72 -57.225,45.121 cw(c-55.955,45.121) -55.955,46.391 -21.325,46.391 -17.6,46.391 ccw(c-17.6,48.091) -15.9,48.091 cw(c-12.9,48.091) -12.9,51.091 13.25,51.091 cw(c13.25,48.091) 16.25,48.091 ccw(c17.95,48.091) 17.95,46.391 21.675,46.391 56.305,46.391 cw(c56.305,45.121) 57.575,45.121 57.575,12.34 cw(c56.305,12.34) 56.305,11.07 ; -54.55,11.187 -54.55,1.256 cw(c-55.82,1.256) -55.82,-0.014 -55.955,-0.014 ccw(c-55.955,-1.284) -57.225,-1.284 -57.225,-12.339 ccw(c-55.955,-12.339) -55.955,-13.609 -34.595,-13.609 cw(c-34.595,-14.879) -33.325,-14.879 ; -33.325,-33.505 ccw(c-30.259,-33.505) -32.427,-35.673 -31.948,-36.152 ccw(c-29.78,-33.984) -29.78,-37.05 -22.57,-37.05 cw(c-22.57,-40.116) -20.402,-37.948 -15.223,-43.127 cw(c-17.391,-45.295) -14.325,-45.295 -14.325,-46.895 ccw(c-11.755,-46.895) -13.572,-48.713 -10.886,-51.399 ; -33.315,-33.505 -33.315,-14.879 ; -10.848,-51.437 ccw(c-8.68,-49.269) -8.68,-52.335 11.095,-52.335 ccw(c11.095,-49.269) 13.263,-51.437 13.301,-51.399 15.987,-48.713 ccw(c14.17,-46.895) 16.74,-46.895 16.74,-46.03 cw(c19.806,-46.03) 17.638,-43.862 18.202,-43.298 cw(c20.37,-45.466) 20.37,-42.4 28.93,-42.4 ccw(c28.93,-39.334) 31.098,-41.502 32.777,-39.823 ccw(c30.609,-37.655) 33.675,-37.655 33.675,-31.739 33.675,-14.893 ; 33.675,-14.879 cw(c34.945,-14.879) 34.945,-13.609 ; 34.959,-13.609 53.63,-13.609 ccw(c53.63,-12.339) 54.9,-12.339 54.9,9.8 cw(c56.17,9.8) 56.17,11.07 56.33,11.07 ; -8.761,-35.8 9.372,-35.8 9.372,-20.835 -8.761,-20.835 -8.761,-35.8
Top Courtyard:
  circle w0.1: c46.265,-9.5 r6
  circle w0.1: c46.615,31.459 r6
  circle w0.1: c-12.95,35.85 r6
  circle w0.1: c-46.265,31.459 r6
  circle w0.1: c-38.3,-9.3 r6
  circle w0.1: c0.263,-42.95 r6